# Altium PCB BPod Panel Due.PcbDoc (part 4 of 5) (continued)
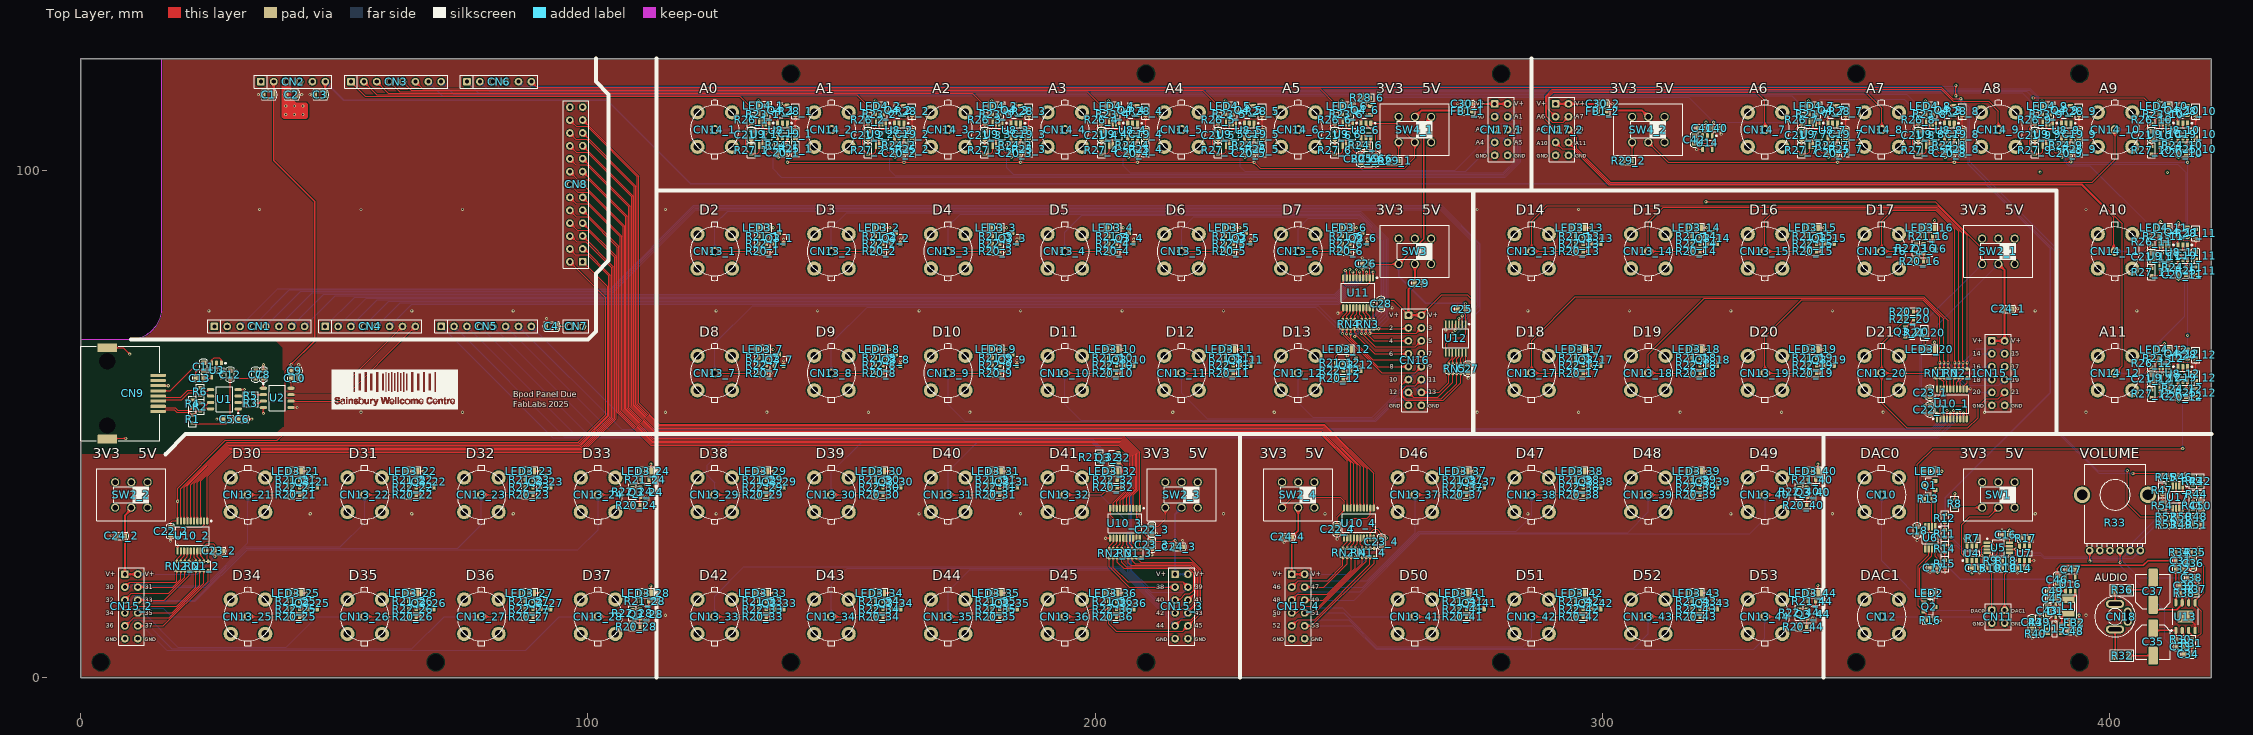
[diagram p0: Top Layer view]
## Nets (pads, with @x,y where several pads share a name; then routed paths per layer and width w, separated by ;. In a path a pad name is that pad's centre, name@x,y a point inside that pad or via, vN(x,y) a via of type N, cw(c..) or ccw(c..) an arc to the next point about the centre after c; other vN are vias at no path point) (continued)
  Top Layer w0.152: R21_42.1@296.175,15 298.05,15 298.675,15.625 Q3_42.3@298.675,15.725
NetQ3_43_1: Q3_43.1 R22_43.1 | length 1.6
  Top Layer w0.152: R22_43.1@319.175,13.5 319.2,13.525 Q3_43.1@320.775,13.525
NetQ3_43_3: Q3_43.3 R21_43.1 | length 2.9
  Top Layer w0.152: R21_43.1@319.175,15 321.05,15 321.675,15.625 Q3_43.3@321.675,15.725
NetQ3_44_1: Q3_44.1 R22_44.1 | length 1.5
  Top Layer w0.152: R22_44.1@338.75,13.5 Q3_44.1@340.275,13.5
NetQ3_44_3: Q3_44.3 R21_44.1 | length 2.7
  Top Layer w0.152: R21_44.1@342.025,15.1 342.025,13.017 342.442,12.6 Q3_44.3@342.475,12.6
NetQ4_1_1: Q4_1.1 U9_1.7 | length 8.2
  Top Layer w0.152: U9_1.7@135.075,104.9 135.088,104.913 135.088,107.363 v1(135.1,107.375) ; v1(138.325,110.9) Q4_1.1@139.225,110.9
  Bottom Layer w0.152: v1(135.1,107.375) 138.25,110.525 138.25,110.825 v1(138.325,110.9)
NetQ4_1_2: Q4_1.2 R28_1.2 U9_1.6 | length 12.8
  Top Layer w0.152: v1(134.3,107.725) 134.363,107.662 134.363,104.963 U9_1.6@134.425,104.9 ; v1(138.35,112.725) 138.363,112.712 139.213,112.712 Q4_1.2@139.225,112.7 139.382,112.543 139.954,112.543 140.147,112.35 R28_1.2@140.9,112.35
  Bottom Layer w0.152: v1(134.3,107.725) 134.3,109.65 137.375,112.725 v1(138.35,112.725)
NetQ4_2_1: Q4_2.1 U9_2.7 | length 8.3
  Top Layer w0.152: U9_2.7@158.075,104.9 158.088,104.913 v1@158.088,107.363 ; v1(161.325,110.9) Q4_2.1@162.225,110.9 ; v1@158.088,107.363 v1(158.1,107.375) v1@158.088,107.363
  Bottom Layer w0.152: v1(158.1,107.375) 161.25,110.525 161.25,110.825 v1(161.325,110.9)
NetQ4_2_2: Q4_2.2 R28_2.2 U9_2.6 | length 12.9
  Top Layer w0.152: v1@157.368,107.657 v1(157.3,107.725) 157.363,107.662 157.363,104.963 U9_2.6@157.425,104.9 ; v1(161.35,112.725) 161.363,112.712 162.213,112.712 162.225,112.7 162.382,112.543 162.954,112.543 163.147,112.35 R28_2.2@163.9,112.35
  Bottom Layer w0.152: v1(157.3,107.725) 157.3,109.65 160.375,112.725 v1(161.35,112.725)
NetQ4_3_1: Q4_3.1 U9_3.7 | length 8.2
  Top Layer w0.152: U9_3.7@181.088,104.913 181.088,107.363 v1(181.1,107.375) ; v1(184.325,110.9) Q4_3.1@185.225,110.9
  Bottom Layer w0.152: v1(181.1,107.375) 184.25,110.525 184.25,110.825 v1(184.325,110.9)
NetQ4_3_2: Q4_3.2 R28_3.2 U9_3.6 | length 12.8
  Top Layer w0.152: v1(180.3,107.725) v1@180.368,107.657 ; U9_3.6@180.363,104.963 v1@180.363,107.662 ; v1(184.35,112.725) 184.363,112.712 185.213,112.712 185.225,112.7 185.382,112.543 185.954,112.543 186.147,112.35 R28_3.2@186.9,112.35
  Bottom Layer w0.152: v1(180.3,107.725) 180.3,109.65 183.375,112.725 v1(184.35,112.725)
NetQ4_4_1: Q4_4.1 U9_4.7 | length 8.2
  Top Layer w0.152: U9_4.7@204.088,104.913 204.088,107.363 v1(204.1,107.375) ; v1(207.325,110.9) Q4_4.1@208.225,110.9
  Bottom Layer w0.152: v1(204.1,107.375) 207.25,110.525 207.25,110.825 v1(207.325,110.9)
NetQ4_4_2: Q4_4.2 R28_4.2 U9_4.6 | length 12.8
  Top Layer w0.152: v1(203.3,107.725) v1@203.368,107.657 ; U9_4.6@203.363,104.963 v1@203.363,107.662 ; v1(207.35,112.725) 207.363,112.712 208.213,112.712 208.225,112.7 208.382,112.543 208.954,112.543 209.147,112.35 R28_4.2@209.9,112.35
  Bottom Layer w0.152: v1(203.3,107.725) 203.3,109.65 206.375,112.725 v1(207.35,112.725)
NetQ4_5_1: Q4_5.1 U9_5.7 | length 8.2
  Top Layer w0.152: U9_5.7@227.088,104.913 227.088,107.363 v1(227.1,107.375) ; v1(230.325,110.9) Q4_5.1@231.225,110.9
  Bottom Layer w0.152: v1(227.1,107.375) 230.25,110.525 230.25,110.825 v1(230.325,110.9)
NetQ4_5_2: Q4_5.2 R28_5.2 U9_5.6 | length 12.8
  Top Layer w0.152: v1(226.3,107.725) v1@226.368,107.657 ; U9_5.6@226.363,104.963 v1@226.363,107.662 ; v1(230.35,112.725) 230.363,112.712 231.213,112.712 231.225,112.7 231.382,112.543 231.954,112.543 232.147,112.35 R28_5.2@232.9,112.35
  Bottom Layer w0.152: v1(226.3,107.725) 226.3,109.65 229.375,112.725 v1(230.35,112.725)
NetQ4_6_1: Q4_6.1 U9_6.7 | length 8.2
  Top Layer w0.152: U9_6.7@250.088,104.913 250.088,107.363 v1(250.1,107.375) ; v1(253.325,110.9) Q4_6.1@254.225,110.9
  Bottom Layer w0.152: v1(250.1,107.375) 253.25,110.525 253.25,110.825 v1(253.325,110.9)
NetQ4_6_2: Q4_6.2 R28_6.2 U9_6.6 | length 12.5
  Top Layer w0.152: v1(249.3,107.725) v1@249.368,107.657 ; U9_6.6@249.363,104.963 v1@249.363,107.662 ; v1(253.35,112.725) 253.363,112.712 254.213,112.712 254.225,112.7 254.25,112.725 R28_6.2@254.25,114.275
  Bottom Layer w0.152: v1(249.3,107.725) 249.3,109.65 252.375,112.725 v1(253.35,112.725)
NetQ4_7_1: Q4_7.1 U9_7.7 | length 8.2
  Top Layer w0.152: U9_7.7@342.088,104.913 342.088,107.363 v1(342.1,107.375) ; v1(345.325,110.9) Q4_7.1@346.225,110.9
  Bottom Layer w0.152: v1(342.1,107.375) 345.25,110.525 345.25,110.825 v1(345.325,110.9)
NetQ4_7_2: Q4_7.2 R28_7.2 U9_7.6 | length 12.8
  Top Layer w0.152: v1(341.3,107.725) v1@341.368,107.657 ; U9_7.6@341.363,104.963 v1@341.363,107.662 ; v1(345.35,112.725) 345.363,112.712 346.213,112.712 346.225,112.7 346.382,112.543 346.954,112.543 347.147,112.35 R28_7.2@347.9,112.35
  Bottom Layer w0.152: v1(341.3,107.725) 341.3,109.65 344.375,112.725 v1(345.35,112.725)
NetQ4_8_1: Q4_8.1 U9_8.7 | length 8.2
  Top Layer w0.152: U9_8.7@365.088,104.913 365.088,107.363 v1(365.1,107.375) ; v1(368.325,110.9) Q4_8.1@369.225,110.9
  Bottom Layer w0.152: v1(365.1,107.375) 368.25,110.525 368.25,110.825 v1(368.325,110.9)
NetQ4_8_2: Q4_8.2 R28_8.2 U9_8.6 | length 12.8
  Top Layer w0.152: v1(364.3,107.725) v1@364.368,107.657 ; U9_8.6@364.363,104.963 v1@364.363,107.662 ; v1(368.35,112.725) 368.363,112.712 369.213,112.712 369.225,112.7 369.382,112.543 369.954,112.543 370.147,112.35 R28_8.2@370.9,112.35
  Bottom Layer w0.152: v1(364.3,107.725) 364.3,109.65 367.375,112.725 v1(368.35,112.725)
NetQ4_9_1: Q4_9.1 U9_9.7 | length 8.2
  Top Layer w0.152: U9_9.7@388.088,104.913 388.088,107.363 v1(388.1,107.375) ; v1(391.325,110.9) Q4_9.1@392.225,110.9
  Bottom Layer w0.152: v1(388.1,107.375) 391.25,110.525 391.25,110.825 v1(391.325,110.9)
NetQ4_9_2: Q4_9.2 R28_9.2 U9_9.6 | length 12.8
  Top Layer w0.152: v1(387.3,107.725) v1@387.368,107.657 ; U9_9.6@387.363,104.963 v1@387.363,107.662 ; v1(391.35,112.725) 391.363,112.712 392.213,112.712 392.225,112.7 392.382,112.543 392.954,112.543 393.147,112.35 R28_9.2@393.9,112.35
  Bottom Layer w0.152: v1(387.3,107.725) 387.3,109.65 390.375,112.725 v1(391.35,112.725)
NetQ4_10_1: Q4_10.1 U9_10.7 | length 8.2
  Top Layer w0.152: U9_10.7@411.088,104.913 411.088,107.363 v1(411.1,107.375) ; v1(414.325,110.9) Q4_10.1@415.225,110.9
  Bottom Layer w0.152: v1(411.1,107.375) 414.25,110.525 414.25,110.825 v1(414.325,110.9)
NetQ4_10_2: Q4_10.2 R28_10.2 U9_10.6 | length 12.8
  Top Layer w0.152: v1(410.3,107.725) v1@410.368,107.657 ; U9_10.6@410.363,104.963 v1@410.363,107.662 ; v1(414.35,112.725) 414.363,112.712 415.213,112.712 415.225,112.7 415.382,112.543 415.954,112.543 416.147,112.35 R28_10.2@416.9,112.35
  Bottom Layer w0.152: v1(410.3,107.725) 410.3,109.65 413.375,112.725 v1(414.35,112.725)
NetQ4_11_1: Q4_11.1 U9_11.7 | length 8.2
  Top Layer w0.152: U9_11.7@411.088,80.888 v1@411.088,83.338 ; v1@411.088,83.363 v1(411.1,83.375) ; v1(414.325,86.9) Q4_11.1@415.225,86.9
  Bottom Layer w0.152: v1(411.1,83.375) 411.175,83.45 411.175,83.75 v1(414.325,86.9)
NetQ4_11_2: Q4_11.2 R28_11.2 U9_11.6 | length 14.1
  Top Layer w0.152: v1(410.3,83.725) v1@410.368,83.657 ; U9_11.6@410.363,80.938 v1@410.363,83.638 ; v1(413.5,89.675) 413.5,89.575 414.363,88.712 415.213,88.712 415.225,88.7 415.382,88.543 415.954,88.543 416.147,88.35 R28_11.2@416.9,88.35
  Bottom Layer w0.152: v1(410.3,83.725) 410.3,86.475 v1(413.5,89.675)
NetQ4_12_1: Q4_12.1 U9_12.7 | length 8.2
  Top Layer w0.152: U9_12.7@411.088,56.888 v1@411.088,59.338 ; v1@411.088,59.363 v1(411.1,59.375) ; v1(414.325,62.9) Q4_12.1@415.225,62.9
  Bottom Layer w0.152: v1(411.1,59.375) 414.25,62.525 414.25,62.825 v1(414.325,62.9)
NetQ4_12_2: Q4_12.2 R28_12.2 U9_12.6 | length 12.8
  Top Layer w0.152: v1(410.3,59.725) v1@410.368,59.657 ; U9_12.6@410.363,56.938 v1@410.363,59.638 ; v1(414.35,64.725) 414.363,64.712 415.213,64.712 415.225,64.7 415.382,64.543 415.954,64.543 416.147,64.35 R28_12.2@416.9,64.35
  Bottom Layer w0.152: v1(410.3,59.725) 410.3,61.65 413.375,64.725 v1(414.35,64.725)
NetR3_1: R3.1 U1.2 | length 1.8
  Top Layer w0.152: U1.2@31.075,54.206 32.669,54.206 R3.1@32.8,54.075
NetR3_2: R3.2 U2.3 | length 1.9
  Top Layer w0.152: R3.2@34.3,54.075 35.2,54.075 35.6,54.475 U2.3@36.025,54.475
NetR5_1: R5.1 U1.3 | length 1.8
  Top Layer w0.152: U1.3@31.075,55.476 32.701,55.476 R5.1@32.8,55.575
NetR5_2: R5.2 U2.2 | length 1.8
  Top Layer w0.152: R5.2@34.3,55.575 34.47,55.745 U2.2@36.025,55.745
NetR7_1: R7.1 U4.4 | length 1.5
  Top Layer w0.152: U4.4@373.725,25.9 R7.1@373.725,27.425
NetR8_1: R8.1 SW1.3 | length 5.4
  Top Layer w0.152: R8.1@369.4,33.5 SW1.3@374.8,33.5
NetR9_1: R9.1 U4.5 U5.2 | length 7.6
  Top Layer w0.152: U4.5@372.775,25.9 372.775,25 373.713,24.062 v1(374.738,24.062) ; R9.1@375.775,23.025 375.775,23.122 374.835,24.062 v1(374.738,24.062) ; U5.2@375.8,25.9 374.938,25.9 374.738,25.7 v1(374.738,24.062)
NetR9_2: R9.2 R10.1 U5.1 | length 6.6
  Top Layer w0.152: U5.1@375.8,26.55 376.775,26.55 377.8,25.525 377.8,24.425 377.275,23.9 R9.2@377.275,23.025 R10.1@377.275,21.525
NetR11_1: R11.1 R12.2 U6.3 | length 6
  Top Layer w0.152: U6.3@364.263,29.725 364.312,29.675 364.312,28.963 364.9,28.375 366.625,28.375 367.375,29.125 R11.1@367.475,29.125 R12.2@367.475,30.625
NetR14_1: R14.1 R15.2 U6.5 | length 8.1
  Top Layer w0.152: U6.5@363.613,25.325 363.613,26.438 364.075,26.9 366.025,26.9 366.35,26.575 366.35,25.653 367.378,24.625 R14.1@367.475,24.625 R15.2@367.475,23.125
NetR17_1: R17.1 U7.4 | length 1.5
  Top Layer w0.152: U7.4@384.1,25.9 R17.1@384.1,27.425
NetR18_1: R18.1 U5.6 U7.5 | length 6.3
  Top Layer w0.152: U5.6@380.2,25.25 380.225,25.275 381.4,25.275 v1(381.425,25.3) 381.468,25.3 381.743,25.025 382.561,25.025 382.926,25.39 382.926,25.676 U7.5@383.15,25.9 ; R18.1@380.275,23.025 380.275,23.125 381.39,24.24 v1@381.39,25.235
NetR18_2: R18.2 R19.1 U5.7 | length 5.6
  Top Layer w0.152: R19.1@378.775,21.525 R18.2@378.775,23.025 378.775,25.525 379.15,25.9 U5.7@380.2,25.9
NetR23_1_1: R23_1.1 U9_1.1 U9_1.2 | length 2.4
  Top Layer w0.152: R23_1.1@135.2,111 135.075,110.875 U9_1.2@135.075,109.3 U9_1.1@135.725,109.3
NetR23_2_1: R23_2.1 U9_2.1 U9_2.2 | length 2.4
  Top Layer w0.152: R23_2.1@158.2,111 158.075,110.875 U9_2.2@158.075,109.3 U9_2.1@158.725,109.3
NetR23_3_1: R23_3.1 U9_3.1 U9_3.2 | length 2.4
  Top Layer w0.152: R23_3.1@181.2,111 181.075,110.875 U9_3.2@181.075,109.3 U9_3.1@181.725,109.3
NetR23_4_1: R23_4.1 U9_4.1 U9_4.2 | length 2.4
  Top Layer w0.152: R23_4.1@204.2,111 204.075,110.875 U9_4.2@204.075,109.3 U9_4.1@204.725,109.3
NetR23_5_1: R23_5.1 U9_5.1 U9_5.2 | length 2.4
  Top Layer w0.152: R23_5.1@227.2,111 227.075,110.875 U9_5.2@227.075,109.3 U9_5.1@227.725,109.3
NetR23_6_1: R23_6.1 U9_6.1 U9_6.2 | length 2.4
  Top Layer w0.152: R23_6.1@250.2,111 250.075,110.875 U9_6.2@250.075,109.3 U9_6.1@250.725,109.3
NetR23_7_1: R23_7.1 U9_7.1 U9_7.2 | length 2.4
  Top Layer w0.152: R23_7.1@342.2,111 342.075,110.875 U9_7.2@342.075,109.3 U9_7.1@342.725,109.3
NetR23_8_1: R23_8.1 U9_8.1 U9_8.2 | length 2.4
  Top Layer w0.152: R23_8.1@365.2,111 365.075,110.875 U9_8.2@365.075,109.3 U9_8.1@365.725,109.3
NetR23_9_1: R23_9.1 U9_9.1 U9_9.2 | length 2.4
  Top Layer w0.152: R23_9.1@388.2,111 388.075,110.875 U9_9.2@388.075,109.3 U9_9.1@388.725,109.3
NetR23_10_1: R23_10.1 U9_10.1 U9_10.2 | length 2.4
  Top Layer w0.152: R23_10.1@411.2,111 411.075,110.875 U9_10.2@411.075,109.3 U9_10.1@411.725,109.3
NetR23_11_1: R23_11.1 U9_11.1 U9_11.2 | length 2.4
  Top Layer w0.152: R23_11.1@411.2,87 411.075,86.875 411.075,85.3 U9_11.1@411.725,85.3
NetR23_12_1: R23_12.1 U9_12.1 U9_12.2 | length 2.4
  Top Layer w0.152: R23_12.1@411.2,63 411.075,62.875 411.075,61.3 U9_12.1@411.725,61.3
NetR24_1_1: R24_1.1 R25_1.2 U8_1.6 | length 3.5
  Top Layer w0.152: U8_1.6@139.3,106.425 139.286,106.411 139.286,105.761 139.025,105.5 R24_1.1@139.025,104.9 R25_1.2@140.9,104.9
NetR24_2_1: R24_2.1 R25_2.2 U8_2.6 | length 3.5
  Top Layer w0.152: U8_2.6@162.3,106.425 162.286,106.411 162.286,105.761 162.025,105.5 162.025,104.9 R25_2.2@163.9,104.9
NetR24_3_1: R24_3.1 R25_3.2 U8_3.6 | length 3.5
  Top Layer w0.152: U8_3.6@185.3,106.425 185.286,106.411 185.286,105.761 185.025,105.5 185.025,104.9 R25_3.2@186.9,104.9
NetR24_4_1: R24_4.1 R25_4.2 U8_4.6 | length 3.5
  Top Layer w0.152: U8_4.6@208.3,106.425 208.286,106.411 208.286,105.761 208.025,105.5 208.025,104.9 R25_4.2@209.9,104.9
NetR24_5_1: R24_5.1 R25_5.2 U8_5.6 | length 3.5
  Top Layer w0.152: U8_5.6@231.3,106.425 231.286,106.411 231.286,105.761 231.025,105.5 231.025,104.9 R25_5.2@232.9,104.9
NetR24_6_1: R24_6.1 R25_6.2 U8_6.6 | length 3.7
  Top Layer w0.152: R25_6.2@253.8,102.95 253.897,102.95 254.2,103.253 254.2,104.875 254.3,104.975 U8_6.6@254.3,106.4
NetR24_7_1: R24_7.1 R25_7.2 U8_7.6 | length 3.5
  Top Layer w0.152: U8_7.6@346.3,106.425 346.286,106.411 346.286,105.761 346.025,105.5 346.025,104.9 R25_7.2@347.9,104.9
NetR24_8_1: R24_8.1 R25_8.2 U8_8.6 | length 3.5
  Top Layer w0.152: U8_8.6@369.3,106.425 369.286,106.411 369.286,105.761 369.025,105.5 369.025,104.9 R25_8.2@370.9,104.9
NetR24_9_1: R24_9.1 R25_9.2 U8_9.6 | length 3.5
  Top Layer w0.152: U8_9.6@392.3,106.425 392.286,106.411 392.286,105.761 392.025,105.5 392.025,104.9 R25_9.2@393.9,104.9
NetR24_10_1: R24_10.1 R25_10.2 U8_10.6 | length 3.5
  Top Layer w0.152: U8_10.6@415.3,106.425 415.286,106.411 415.286,105.761 415.025,105.5 415.025,104.9 R25_10.2@416.9,104.9
NetR24_11_1: R24_11.1 R25_11.2 U8_11.6 | length 3.5
  Top Layer w0.152: U8_11.6@415.3,82.425 415.286,82.411 415.286,81.761 415.025,81.5 415.025,80.9 R25_11.2@416.9,80.9
NetR24_12_1: R24_12.1 R25_12.2 U8_12.6 | length 3.5
  Top Layer w0.152: U8_12.6@415.3,58.425 415.286,58.411 415.286,57.761 415.025,57.5 415.025,56.9 R25_12.2@416.9,56.9
NetR26_1_1: R26_1.1 R27_1.2 U9_1.5 | length 10
  Top Layer w0.152: R26_1.1@132.2,109.2 132.103,109.2 131.15,108.247 131.15,104.153 132.103,103.2 133.35,103.2 133.775,103.625 U9_1.5@133.775,104.9
NetR26_2_1: R26_2.1 R27_2.2 U9_2.5 | length 10.2
  Top Layer w0.152: R27_2.2@155.2,103.2 R27_2.2@155.103,103.2 ; U9_2.5@156.775,104.9 156.775,103.625 156.35,103.2 R27_2.2@155.103,103.2 ; R27_2.2@155.103,103.2 154.15,104.153 154.15,108.247 R26_2.1@155.103,109.2 ; R26_2.1@155.103,109.2 155.2,109.2 R26_2.1@155.103,109.2
NetR26_3_1: R26_3.1 R27_3.2 U9_3.5 | length 10.1
  Top Layer w0.152: R27_3.2@178.2,103.2 R27_3.2@178.103,103.2 ; R26_3.1@178.2,109.2 178.103,109.2 177.15,108.247 177.15,104.153 R27_3.2@178.103,103.2 ; U9_3.5@179.775,104.9 179.775,103.625 179.35,103.2 R27_3.2@178.103,103.2
NetR26_4_1: R26_4.1 R27_4.2 U9_4.5 | length 10.1
  Top Layer w0.152: R27_4.2@201.2,103.2 R27_4.2@201.103,103.2 ; R26_4.1@201.2,109.2 201.103,109.2 200.15,108.247 200.15,104.153 R27_4.2@201.103,103.2 ; U9_4.5@202.775,104.9 202.775,103.625 202.35,103.2 R27_4.2@201.103,103.2
NetR26_5_1: R26_5.1 R27_5.2 U9_5.5 | length 10.1
  Top Layer w0.152: R27_5.2@224.2,103.2 R27_5.2@224.103,103.2 ; R26_5.1@224.2,109.2 224.103,109.2 223.15,108.247 223.15,104.153 R27_5.2@224.103,103.2 ; U9_5.5@225.775,104.9 225.775,103.625 225.35,103.2 R27_5.2@224.103,103.2
NetR26_6_1: R26_6.1 R27_6.2 U9_6.5 | length 10.1
  Top Layer w0.152: R27_6.2@247.2,103.2 R27_6.2@247.103,103.2 ; R26_6.1@247.2,109.2 247.103,109.2 246.15,108.247 246.15,104.153 R27_6.2@247.103,103.2 ; U9_6.5@248.775,104.9 248.775,103.625 248.35,103.2 R27_6.2@247.103,103.2
NetR26_7_1: R26_7.1 R27_7.2 U9_7.5 | length 10.1
  Top Layer w0.152: R27_7.2@339.2,103.2 R27_7.2@339.103,103.2 ; R26_7.1@339.2,109.2 339.103,109.2 338.15,108.247 338.15,104.153 R27_7.2@339.103,103.2 ; U9_7.5@340.775,104.9 340.775,103.625 340.35,103.2 R27_7.2@339.103,103.2
NetR26_8_1: R26_8.1 R27_8.2 U9_8.5 | length 10.1
  Top Layer w0.152: R27_8.2@362.2,103.2 R27_8.2@362.103,103.2 ; R26_8.1@362.2,109.2 362.103,109.2 361.15,108.247 361.15,104.153 R27_8.2@362.103,103.2 ; U9_8.5@363.775,104.9 363.775,103.625 363.35,103.2 R27_8.2@362.103,103.2
NetR26_9_1: R26_9.1 R27_9.2 U9_9.5 | length 10.1
  Top Layer w0.152: R27_9.2@385.2,103.2 R27_9.2@385.103,103.2 ; R26_9.1@385.2,109.2 385.103,109.2 384.15,108.247 384.15,104.153 R27_9.2@385.103,103.2 ; U9_9.5@386.775,104.9 386.775,103.625 386.35,103.2 R27_9.2@385.103,103.2
NetR26_10_1: R26_10.1 R27_10.2 U9_10.5 | length 10.1
  Top Layer w0.152: R27_10.2@408.2,103.2 R27_10.2@408.103,103.2 ; R26_10.1@408.2,109.2 408.103,109.2 407.15,108.247 407.15,104.153 R27_10.2@408.103,103.2 ; U9_10.5@409.775,104.9 409.775,103.625 409.35,103.2 R27_10.2@408.103,103.2
NetR26_11_1: R26_11.1 R27_11.2 U9_11.5 | length 10.1
  Top Layer w0.152: R27_11.2@408.103,79.175 409.35,79.175 409.775,79.6 U9_11.5@409.775,80.875 ; R27_11.2@408.2,79.2 408.103,79.2 407.15,80.153 407.15,84.247 408.103,85.2 R26_11.1@408.2,85.2
NetR26_12_1: R26_12.1 R27_12.2 U9_12.5 | length 10.1
  Top Layer w0.152: R27_12.2@408.103,55.175 409.35,55.175 409.775,55.6 U9_12.5@409.775,56.875 ; R27_12.2@408.2,55.2 408.103,55.2 407.15,56.153 407.15,60.247 408.103,61.2 R26_12.1@408.2,61.2
NetR29_1_1: R29_1.1 SW4_1.3 | length 3.7
  Top Layer w0.152: R29_1.1@259.8,101.825 SW4_1.3@259.8,105.5
NetR29_2_1: R29_2.1 SW4_2.3 | length 3.7
  Top Layer w0.152: R29_2.1@305.8,101.825 SW4_2.3@305.8,105.5
NetR41_1: R41.1 R42.1 R44.2 | length 4.1
  Top Layer w0.152: R41.1@416.35,34.65 R44.2@416.35,36.15 416.373,36.173 416.373,36.714 417.369,37.71 417.61,37.71 R42.1@417.85,37.95
NetR42_2: R42.2 R43.1 U17.2 | length 5.3
  Top Layer w0.152: U17.2@413.675,37.75 413.763,37.838 413.763,38.573 413.852,38.662 415.462,38.662 416.25,39.45 R43.1@416.35,39.45 R42.2@417.85,39.45
NetR45_2: R45.2 R47.2 U17.3 | length 6.2
  Top Layer w0.152: R45.2@410.35,39.45 R47.2@410.35,37.65 410.45,37.65 411.65,36.45 412.825,36.45 413.05,36.675 413.05,37.725 U17.3@413.025,37.75
NetR48_1: R48.1 R49.1 R51.2 | length 3
  Top Layer w0.152: R49.1@414.85,30.15 R51.2@416.35,30.15 R48.1@416.35,31.65
NetR49_2: R49.2 R50.1 U17.6 | length 3.3
  Top Layer w0.152: U17.6@413.025,33.35 413.174,33.201 413.174,32.48 413.35,32.304 R50.1@413.35,31.65 R49.2@413.35,30.15
NetR52_2: R52.2 R54.2 U17.5 | length 4
  Top Layer w0.152: R54.2@410.35,33.15 412.226,33.15 U17.5@412.375,33.299 ; R52.2@411.85,31.65 411.85,31.75 412.375,32.275 U17.5@412.375,33.299 ; U17.5@412.375,33.35 U17.5@412.375,33.299
NetRN1_1_1: RN1_1.1 U10_1.20 | length 2.3
  Top Layer w0.152: RN1_1.1@365.675,59.1 365.675,58.974 365.925,58.724 U10_1.20@365.925,56.875
NetRN1_1_2: RN1_1.2 U10_1.18 | length 2.5
  Top Layer w0.152: RN1_1.2@366.475,59.1 366.475,59 367.225,58.25 U10_1.18@367.225,56.875
NetRN1_1_3: RN1_1.3 U10_1.17 | length 2.5
  Top Layer w0.152: RN1_1.3@367.275,59.1 367.275,59 367.875,58.4 U10_1.17@367.875,56.875
NetRN1_1_4: RN1_1.4 U10_1.16 | length 2.4
  Top Layer w0.152: RN1_1.4@368.075,59.1 368.075,59 368.525,58.55 U10_1.16@368.525,56.875
NetRN1_2_1: RN1_2.1 U10_2.20 | length 2.1
  Top Layer w0.152: U10_2.20@24.975,24.95 24.975,23.451 25.125,23.301 RN1_2.1@25.125,22.875
NetRN1_2_2: RN1_2.2 U10_2.18 | length 2.3
  Top Layer w0.152: U10_2.18@23.675,24.95 23.675,23.951 24.325,23.301 RN1_2.2@24.325,22.875
NetRN1_2_3: RN1_2.3 U10_2.17 | length 2.3
  Top Layer w0.152: U10_2.17@23.025,24.95 23.025,23.801 23.525,23.301 RN1_2.3@23.525,22.875
NetRN1_2_4: RN1_2.4 U10_2.16 | length 2.2
  Top Layer w0.152: U10_2.16@22.375,24.95 22.375,23.651 22.725,23.301 RN1_2.4@22.725,22.875
NetRN1_3_1: RN1_3.1 U10_3.20 | length 2.1
  Top Layer w0.152: U10_3.20@208.775,27.45 208.775,25.976 208.925,25.826 RN1_3.1@208.925,25.4
NetRN1_3_2: RN1_3.2 U10_3.18 | length 2.3
  Top Layer w0.152: U10_3.18@207.475,27.45 207.475,26.476 208.125,25.826 RN1_3.2@208.125,25.4
NetRN1_3_3: RN1_3.3 U10_3.17 | length 2.3
  Top Layer w0.152: U10_3.17@206.825,27.45 206.825,26.326 207.325,25.826 RN1_3.3@207.325,25.4
NetRN1_3_4: RN1_3.4 U10_3.16 | length 2.2
  Top Layer w0.152: U10_3.16@206.175,27.45 206.175,26.176 206.525,25.826 RN1_3.4@206.525,25.4
NetRN1_4_1: RN1_4.1 U10_4.20 | length 2
  Top Layer w0.152: U10_4.20@254.875,27.5 254.875,26.026 254.975,25.926 RN1_4.1@254.975,25.5
NetRN1_4_2: RN1_4.2 U10_4.18 | length 2.2
  Top Layer w0.152: U10_4.18@253.575,27.5 253.575,26.526 254.175,25.926 RN1_4.2@254.175,25.5
NetRN1_4_3: RN1_4.3 U10_4.17 | length 2.2
  Top Layer w0.152: U10_4.17@252.925,27.5 252.925,26.376 253.375,25.926 RN1_4.3@253.375,25.5
NetRN1_4_4: RN1_4.4 U10_4.16 | length 2.1
  Top Layer w0.152: U10_4.16@252.275,27.5 252.275,26.226 252.575,25.926 RN1_4.4@252.575,25.5
NetRN2_1_1: RN2_1.1 U10_1.15 | length 2.3
  Top Layer w0.152: U10_1.15@369.175,56.875 369.175,58.724 369.425,58.974 RN2_1.1@369.425,59.1
NetRN2_1_2: RN2_1.2 U10_1.14 | length 2.4
  Top Layer w0.152: U10_1.14@369.825,56.875 369.825,58.195 370.225,58.595 RN2_1.2@370.225,59.1
NetRN2_1_3: RN2_1.3 U10_1.13 | length 2.5
  Top Layer w0.152: U10_1.13@370.475,56.875 370.475,58.45 371.025,59 RN2_1.3@371.025,59.1
NetRN2_1_4: RN2_1.4 U10_1.12 | length 2.5
  Top Layer w0.152: U10_1.12@371.125,56.875 371.125,57.35 371.825,58.05 RN2_1.4@371.825,59.1
NetRN2_2_1: RN2_2.1 U10_2.15 | length 2.2
  Top Layer w0.152: RN2_2.1@21.375,22.875 21.375,23.301 21.725,23.651 U10_2.15@21.725,24.95
NetRN2_2_2: RN2_2.2 U10_2.14 | length 2.3
  Top Layer w0.152: RN2_2.2@20.575,22.875 20.575,23.301 21.075,23.801 U10_2.14@21.075,24.95
NetRN2_2_3: RN2_2.3 U10_2.13 | length 2.3
  Top Layer w0.152: RN2_2.3@19.775,22.875 19.775,23.301 20.425,23.951 U10_2.13@20.425,24.95
NetRN2_2_4: RN2_2.4 U10_2.12 | length 2.4
  Top Layer w0.152: RN2_2.4@18.975,22.875 18.975,23.301 19.775,24.101 U10_2.12@19.775,24.95
NetRN2_3_1: RN2_3.1 U10_3.15 | length 2.2
  Top Layer w0.152: RN2_3.1@205.175,25.4 205.175,25.826 205.525,26.176 U10_3.15@205.525,27.45
NetRN2_3_2: RN2_3.2 U10_3.14 | length 2.3
  Top Layer w0.152: RN2_3.2@204.375,25.4 204.375,25.826 204.875,26.326 U10_3.14@204.875,27.45
NetRN2_3_3: RN2_3.3 U10_3.13 | length 2.3
  Top Layer w0.152: RN2_3.3@203.575,25.4 203.575,25.826 204.225,26.476 U10_3.13@204.225,27.45
NetRN2_3_4: RN2_3.4 U10_3.12 | length 2.4
  Top Layer w0.152: RN2_3.4@202.775,25.4 202.775,25.826 203.575,26.626 U10_3.12@203.575,27.45
NetRN2_4_1: RN2_4.1 U10_4.15 | length 2.2
  Top Layer w0.152: RN2_4.1@251.225,25.5 251.225,25.926 251.625,26.326 U10_4.15@251.625,27.5
NetRN2_4_2: RN2_4.2 U10_4.14 | length 2.2
  Top Layer w0.152: RN2_4.2@250.425,25.5 250.425,25.926 250.975,26.476 U10_4.14@250.975,27.5
NetRN2_4_3: RN2_4.3 U10_4.13 | length 2.3
  Top Layer w0.152: RN2_4.3@249.625,25.5 249.625,25.926 250.325,26.626 U10_4.13@250.325,27.5
NetRN2_4_4: RN2_4.4 U10_4.12 | length 2.4
  Top Layer w0.152: RN2_4.4@248.825,25.5 248.91,25.585 248.91,25.96 249.599,26.649 249.599,26.787 249.618,26.806 249.618,27.405 249.599,27.424 U10_4.12@249.675,27.5
NetRN3_1: RN3.1 U11.20 | length 2.4
  Top Layer w0.152: U11.20@254.75,72.875 254.807,72.818 254.807,70.643 RN3.1@254.9,70.55
NetRN3_2: RN3.2 U11.18 | length 2.6
  Top Layer w0.152: U11.18@253.45,72.875 253.45,71.875 254.1,71.225 RN3.2@254.1,70.55
NetRN3_3: RN3.3 U11.17 | length 2.5
  Top Layer w0.152: U11.17@252.8,72.875 252.8,71.85 253.3,71.35 RN3.3@253.3,70.55
NetRN3_4: RN3.4 U11.16 | length 2.5
  Top Layer w0.152: U11.16@252.15,72.875 252.15,71.55 252.5,71.2 RN3.4@252.5,70.55
NetRN4_1: RN4.1 U11.15 | length 2.5
  Top Layer w0.152: RN4.1@251.15,70.55 251.15,71.325 251.5,71.675 U11.15@251.5,72.875
NetRN4_2: RN4.2 U11.14 | length 2.5
  Top Layer w0.152: RN4.2@250.35,70.55 250.35,71.25 250.85,71.75 U11.14@250.85,72.875
NetRN4_3: RN4.3 U11.13 | length 2.6
  Top Layer w0.152: RN4.3@249.55,70.55 249.55,71.275 250.2,71.925 U11.13@250.2,72.875
NetRN4_4: RN4.4 U11.12 | length 2.7
  Top Layer w0.152: RN4.4@248.75,70.55 248.75,71.073 249.55,71.873 U11.12@249.55,72.875
NetRN5_1: RN5.1 U12.13 | length 2.4
  Top Layer w0.152: RN5.1@272.05,61.775 272.05,62.949 272.325,63.224 U12.13@272.325,64.05
NetRN5_2: RN5.2 U12.12 | length 2.5
  Top Layer w0.152: RN5.2@271.25,61.775 271.25,62.799 271.675,63.224 U12.12@271.675,64.05
NetRN5_3: RN5.3 U12.11 | length 2.5
  Top Layer w0.152: RN5.3@270.45,61.775 270.45,62.649 271.025,63.224 U12.11@271.025,64.05
NetRN5_4: RN5.4 U12.10 | length 2.6
  Top Layer w0.152: RN5.4@269.65,61.775 269.65,62.244 270.375,62.969 U12.10@270.375,64.05
NetSW1_2: SW1.2 U4.1 U7.1 | length 27.9
  Top Layer w0.152: v1(371.825,22.15) U4.1@371.825,23.05 371.825,23.275 370.75,24.35 370.75,30.086 372.319,31.654 376.154,31.654 SW1.2@378,33.5 ; v1(381.15,22.475) 381.85,22.475 382.2,22.825 U7.1@382.2,23.05
  Bottom Layer w0.152: v1(371.825,22.15) 371.949,22.15 372.124,22.325 372.125,22.325 372.275,22.475 v1(381.15,22.475)